# Allegro board MB1167.brd (continued)
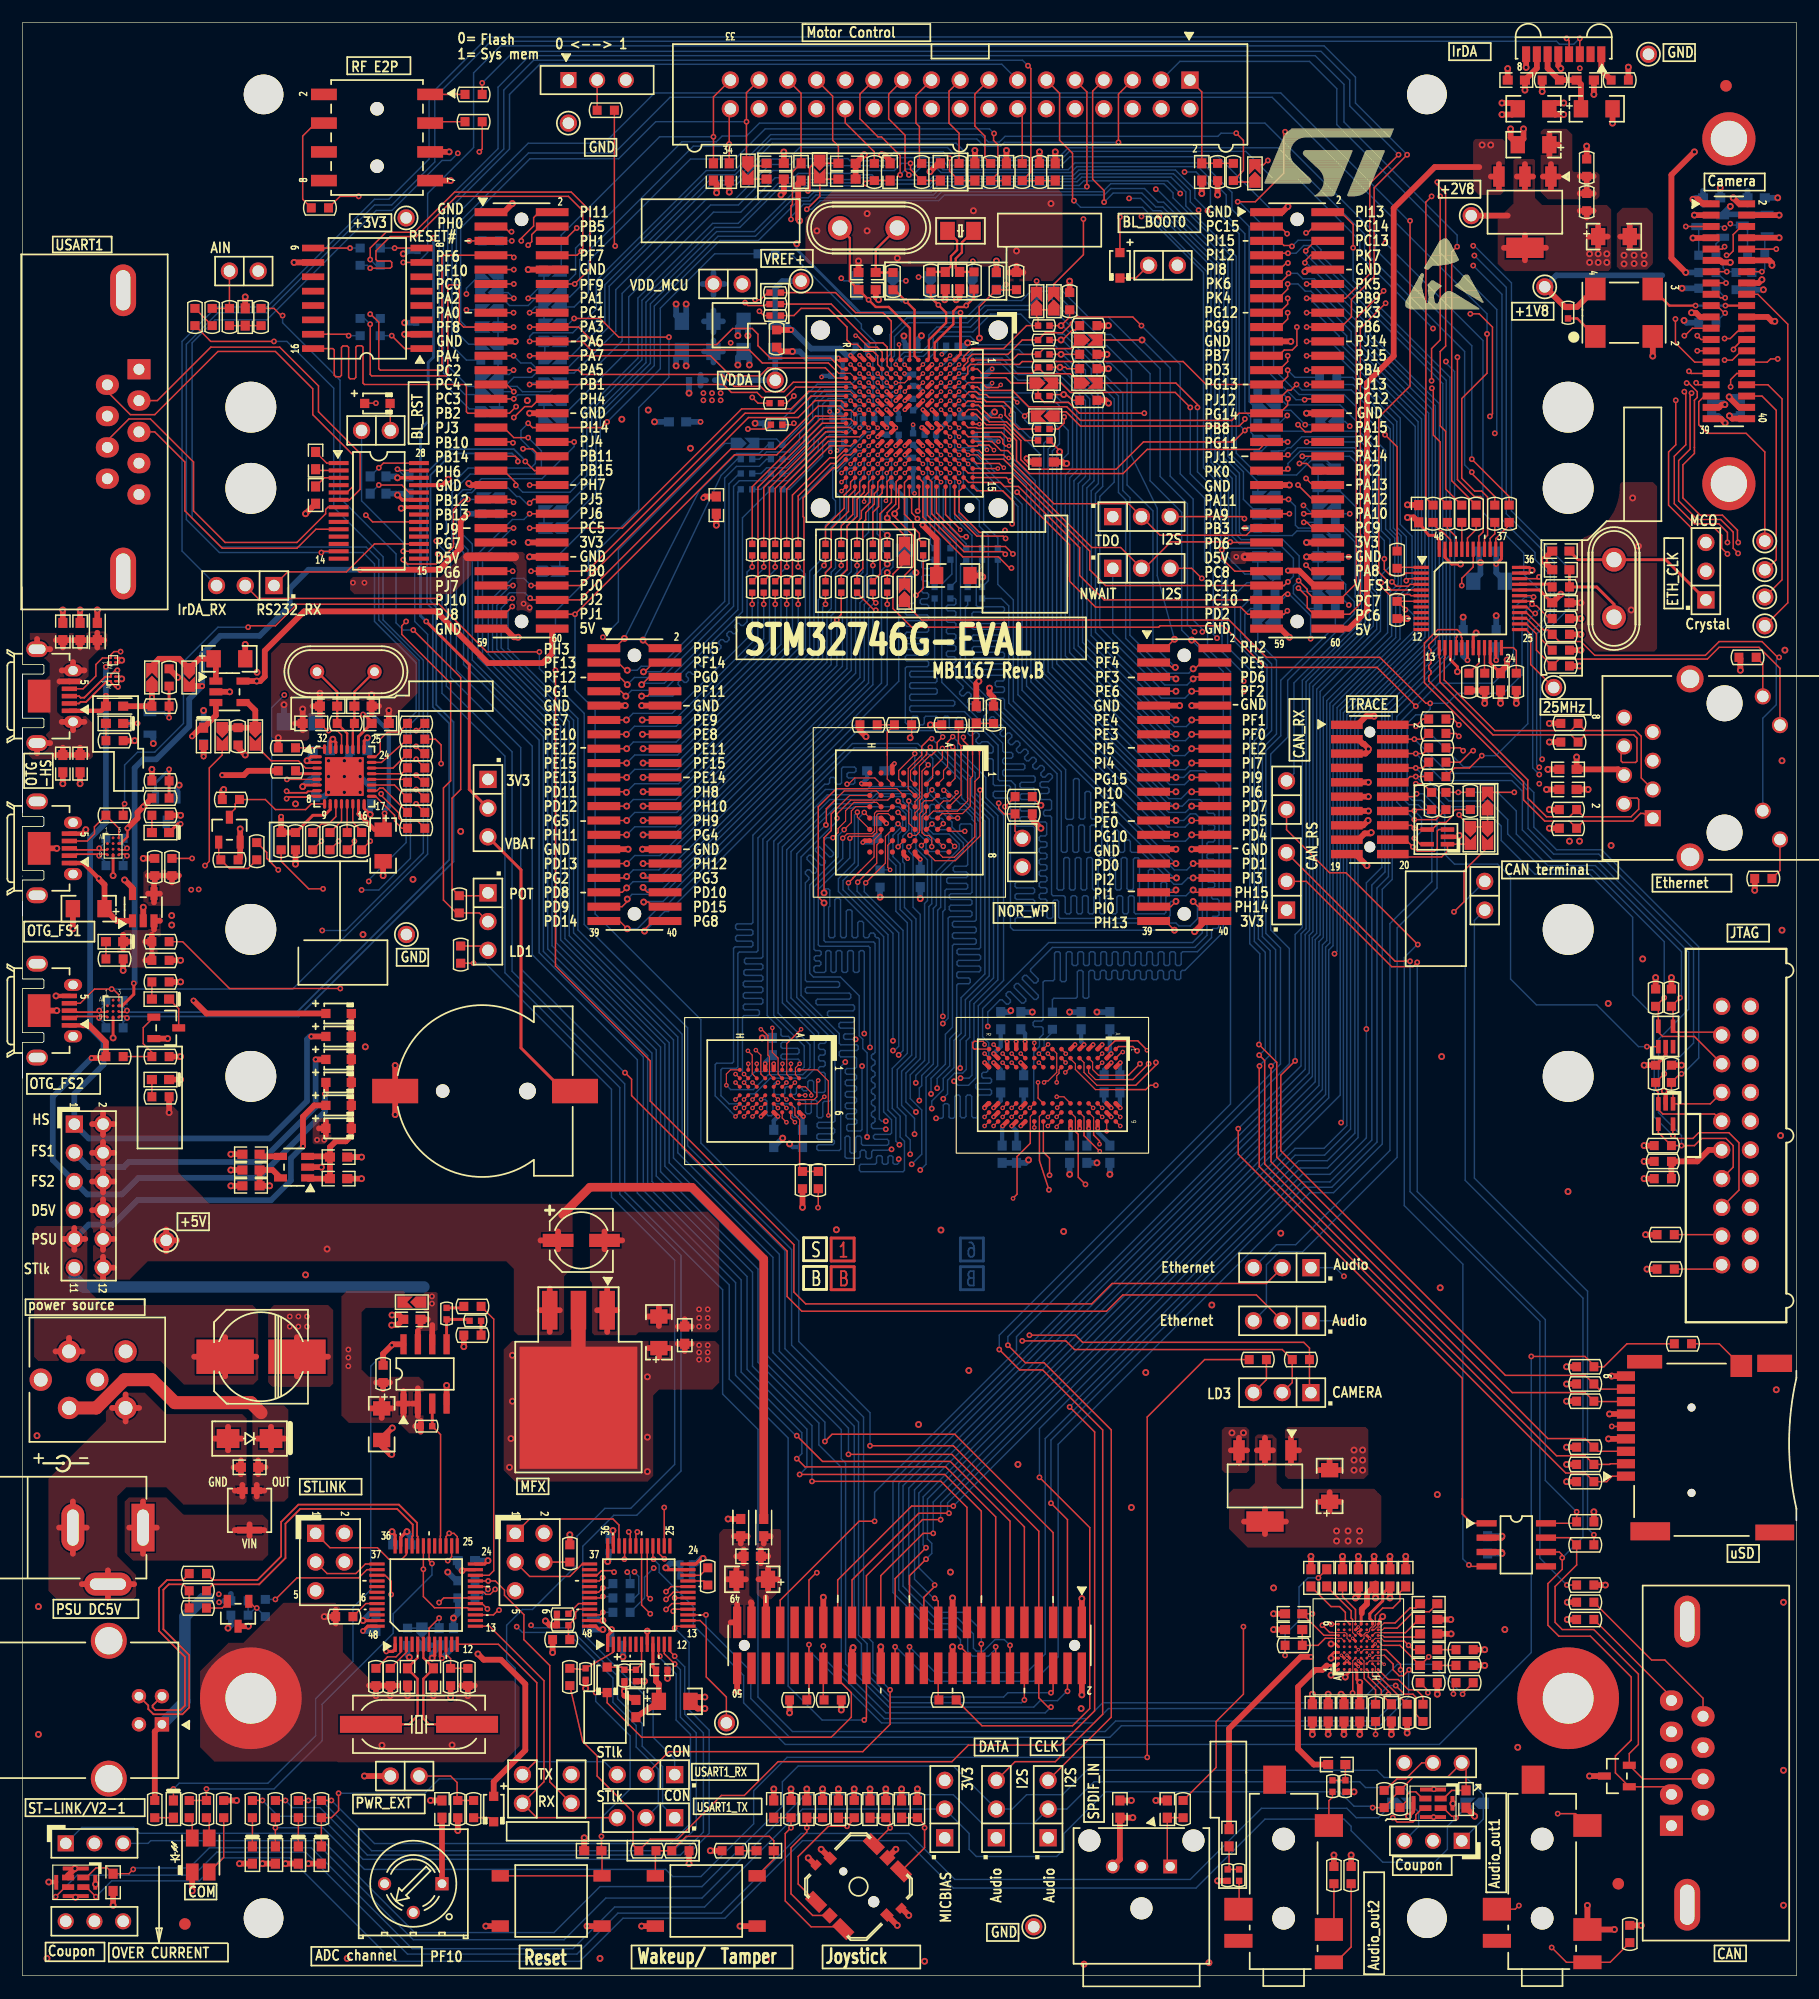
[diagram p0: board, top side]
## Footprints (pads in the part's own frame, mm; a bottom-side part is the same pattern mirrored in y, then rotated) (continued)
CLM-120-02-L-D
  rect 0.61x1.499 smd: 1(-9.5,-1.57) 2(-9.5,1.57) 3(-8.5,-1.57) 4(-8.5,1.57) 5(-7.5,-1.57) 6(-7.5,1.57) 7(-6.5,-1.57) 8(-6.5,1.57) 9(-5.5,-1.57) 10(-5.5,1.57) 11(-4.5,-1.57) 12(-4.5,1.57) 13(-3.5,-1.57) 14(-3.5,1.57) 15(-2.5,-1.57) 16(-2.5,1.57) 17(-1.5,-1.57) 18(-1.5,1.57) 19(-0.5,-1.57) 20(-0.5,1.57) 21(0.5,-1.57) 22(0.5,1.57) 23(1.5,-1.57) 24(1.5,1.57) 25(2.5,-1.57) 26(2.5,1.57) 27(3.5,-1.57) 28(3.5,1.57) 29(4.5,-1.57) 30(4.5,1.57) 31(5.5,-1.57) 32(5.5,1.57) 33(6.5,-1.57) 34(6.5,1.57) 35(7.5,-1.57) 36(7.5,1.57) 37(8.5,-1.57) 38(8.5,1.57) 39(9.5,-1.57) 40(9.5,1.57)
  round 4.699 hole 3.2: 41(-15.249,0) 42(15.25,0)
CONN_DLR11H0
  round 1.956 hole 1.956 unplated: (-7.14,2.3) (-2.54,-3.7) (2.06,2.3)
  rect 1.219x1.219 hole 0.813: 1(0,0)
  round 1.219 hole 0.813: 2(-2.54,0) 3(-5.08,0)
COUPON
  rect 1.422x1.422 hole 1.016: 1(-3.444,-2.54)
  round 1.422 hole 1.016: 2(-3.444,0) 3(-3.444,2.54) 4(3.447,-2.54) 5(3.447,0) 6(3.447,2.54)
DB9_M
  rect 1.778x2.032 hole 0.965: 1(5.537,0)
  oval 1.778x2.032 hole 0.965: 2(2.769,0) 3(0,0) 4(-2.769,0) 5(-5.537,0) 6(4.166,2.794) 7(1.397,2.794) 8(-1.372,2.794) 9(-4.14,2.794)
  oval 4.572x2.286 hole 3.556x1.27: 10(-12.522,1.397) 11(12.522,1.397)
FBGA64_1_11X13
  round 0.457 smd: A1(-3.5,3.5) A2(-2.5,3.5) A3(-1.5,3.5) A4(-0.5,3.5) A5(0.5,3.5) A6(1.5,3.5) A7(2.5,3.5) A8(3.5,3.5) B1(-3.5,2.5) B2(-2.5,2.5) B3(-1.5,2.5) B4(-0.5,2.5) B5(0.5,2.5) B6(1.5,2.5) B7(2.5,2.5) B8(3.5,2.5) C1(-3.5,1.5) C2(-2.5,1.5) C3(-1.5,1.5) C4(-0.5,1.5) C5(0.5,1.5) C6(1.5,1.5) C7(2.5,1.5) C8(3.5,1.5) D1(-3.5,0.5) D2(-2.5,0.5) D3(-1.5,0.5) D4(-0.5,0.5) D5(0.5,0.5) D6(1.5,0.5) D7(2.5,0.5) D8(3.5,0.5) E1(-3.5,-0.5) E2(-2.5,-0.5) E3(-1.5,-0.5) E4(-0.5,-0.5) E5(0.5,-0.5) E6(1.5,-0.5) E7(2.5,-0.5) E8(3.5,-0.5) F1(-3.5,-1.5) F2(-2.5,-1.5) F3(-1.5,-1.5) F4(-0.5,-1.5) F5(0.5,-1.5) F6(1.5,-1.5) F7(2.5,-1.5) F8(3.5,-1.5) G1(-3.5,-2.5) G2(-2.5,-2.5) G3(-1.5,-2.5) G4(-0.5,-2.5) G5(0.5,-2.5) G6(1.5,-2.5) G7(2.5,-2.5) G8(3.5,-2.5) H1(-3.5,-3.5) H2(-2.5,-3.5) H3(-1.5,-3.5) H4(-0.5,-3.5) H5(0.5,-3.5) H6(1.5,-3.5) H7(2.5,-3.5) H8(3.5,-3.5)
FBGA90_0R8_8X13
  round 0.406 smd: A1(-3.2,5.6) A2(-2.4,5.6) A3(-1.6,5.6) A7(1.6,5.6) A8(2.4,5.6) A9(3.2,5.6) B1(-3.2,4.8) B2(-2.4,4.8) B3(-1.6,4.8) B7(1.6,4.8) B8(2.4,4.8) B9(3.2,4.8) C1(-3.2,4) C2(-2.4,4) C3(-1.6,4) C7(1.6,4) C8(2.4,4) C9(3.2,4) D1(-3.2,3.2) D2(-2.4,3.2) D3(-1.6,3.2) D7(1.6,3.2) D8(2.4,3.2) D9(3.2,3.2) E1(-3.2,2.4) E2(-2.4,2.4) E3(-1.6,2.4) E7(1.6,2.4) E8(2.4,2.4) E9(3.2,2.4) F1(-3.2,1.6) F2(-2.4,1.6) F3(-1.6,1.6) F7(1.6,1.6) F8(2.4,1.6) F9(3.2,1.6) G1(-3.2,0.8) G2(-2.4,0.8) G3(-1.6,0.8) G7(1.6,0.8) G8(2.4,0.8) G9(3.2,0.8) H1(-3.2,0) H2(-2.4,0) H3(-1.6,0) H7(1.6,0) H8(2.4,0) H9(3.2,0) J1(-3.2,-0.8) J2(-2.4,-0.8) J3(-1.6,-0.8) J7(1.6,-0.8) J8(2.4,-0.8) J9(3.2,-0.8) K1(-3.2,-1.6) K2(-2.4,-1.6) K3(-1.6,-1.6) K7(1.6,-1.6) K8(2.4,-1.6) K9(3.2,-1.6) L1(-3.2,-2.4) L2(-2.4,-2.4) L3(-1.6,-2.4) L7(1.6,-2.4) L8(2.4,-2.4) L9(3.2,-2.4) M1(-3.2,-3.2) M2(-2.4,-3.2) M3(-1.6,-3.2) M7(1.6,-3.2) M8(2.4,-3.2) M9(3.2,-3.2) N1(-3.2,-4) N2(-2.4,-4) N3(-1.6,-4) N7(1.6,-4) N8(2.4,-4) N9(3.2,-4) P1(-3.2,-4.8) P2(-2.4,-4.8) P3(-1.6,-4.8) P7(1.6,-4.8) P8(2.4,-4.8) P9(3.2,-4.8) R1(-3.2,-5.6) R2(-2.4,-5.6) R3(-1.6,-5.6) R7(1.6,-5.6) R8(2.4,-5.6) R9(3.2,-5.6)
FTR-120-53-L-D-LC
  round 1.194 hole 1.194 unplated: (-11.43,0) (11.43,0)
  rect 0.711x2.896 smd: 1(-12.065,-2.705) 2(-12.065,2.705) 3(-10.795,-2.705) 4(-10.795,2.705) 5(-9.525,-2.705) 6(-9.525,2.705) 7(-8.255,-2.705) 8(-8.255,2.705) 9(-6.985,-2.705) 10(-6.985,2.705) 11(-5.715,-2.705) 12(-5.715,2.705) 13(-4.445,-2.705) 14(-4.445,2.705) 15(-3.175,-2.705) 16(-3.175,2.705) 17(-1.905,-2.705) 18(-1.905,2.705) 19(-0.635,-2.705) 20(-0.635,2.705) 21(0.635,-2.705) 22(0.635,2.705) 23(1.905,-2.705) 24(1.905,2.705) 25(3.175,-2.705) 26(3.175,2.705) 27(4.445,-2.705) 28(4.445,2.705) 29(5.715,-2.705) 30(5.715,2.705) 31(6.985,-2.705) 32(6.985,2.705) 33(8.255,-2.705) 34(8.255,2.705) 35(9.525,-2.705) 36(9.525,2.705) 37(10.795,-2.705) 38(10.795,2.705) 39(12.065,-2.705) 40(12.065,2.705)
FTR-130-53-L-D-LC
  round 1.194 hole 1.194 unplated: (-17.78,0) (17.78,0)
  rect 0.711x2.896 smd: 1(-18.415,-2.705) 2(-18.415,2.705) 3(-17.145,-2.705) 4(-17.145,2.705) 5(-15.875,-2.705) 6(-15.875,2.705) 7(-14.605,-2.705) 8(-14.605,2.705) 9(-13.335,-2.705) 10(-13.335,2.705) 11(-12.065,-2.705) 12(-12.065,2.705) 13(-10.795,-2.705) 14(-10.795,2.705) 15(-9.525,-2.705) 16(-9.525,2.705) 17(-8.255,-2.705) 18(-8.255,2.705) 19(-6.985,-2.705) 20(-6.985,2.705) 21(-5.715,-2.705) 22(-5.715,2.705) 23(-4.445,-2.705) 24(-4.445,2.705) 25(-3.175,-2.705) 26(-3.175,2.705) 27(-1.905,-2.705) 28(-1.905,2.705) 29(-0.635,-2.705) 30(-0.635,2.705) 31(0.635,-2.705) 32(0.635,2.705) 33(1.905,-2.705) 34(1.905,2.705) 35(3.175,-2.705) 36(3.175,2.705) 37(4.445,-2.705) 38(4.445,2.705) 39(5.715,-2.705) 40(5.715,2.705) 41(6.985,-2.705) 42(6.985,2.705) 43(8.255,-2.705) 44(8.255,2.705) 45(9.525,-2.705) 46(9.525,2.705) 47(10.795,-2.705) 48(10.795,2.705) 49(12.065,-2.705) 50(12.065,2.705) 51(13.335,-2.705) 52(13.335,2.705) 53(14.605,-2.705) 54(14.605,2.705) 55(15.875,-2.705) 56(15.875,2.705) 57(17.145,-2.705) 58(17.145,2.705) 59(18.415,-2.705) 60(18.415,2.705)
FTSH-110-01-L-DV
  round 0.965 hole 0.965 unplated: (-5.08,0) (5.08,0)
  rect 0.737x2.794 smd: 1(-5.715,-2.03) 2(-5.715,2.03) 3(-4.445,-2.03) 4(-4.445,2.03) 5(-3.175,-2.03) 6(-3.175,2.03) 7(-1.905,-2.03) 8(-1.905,2.03) 9(-0.635,-2.03) 10(-0.635,2.03) 11(0.635,-2.03) 12(0.635,2.03) 13(1.905,-2.03) 14(1.905,2.03) 15(3.175,-2.03) 16(3.175,2.03) 17(4.445,-2.03) 18(4.445,2.03) 19(5.715,-2.03) 20(5.715,2.03)
FTSH-125-01-F-DV
  round 0.965 hole 0.965 unplated: (-14.605,0) (14.605,0)
  rect 0.737x2.794 smd: 1(-15.24,-2.03) 2(-15.24,2.03) 3(-13.97,-2.03) 4(-13.97,2.03) 5(-12.7,-2.03) 6(-12.7,2.03) 7(-11.43,-2.03) 8(-11.43,2.03) 9(-10.16,-2.03) 10(-10.16,2.03) 11(-8.89,-2.03) 12(-8.89,2.03) 13(-7.62,-2.03) 14(-7.62,2.03) 15(-6.35,-2.03) 16(-6.35,2.03) 17(-5.08,-2.03) 18(-5.08,2.03) 19(-3.81,-2.03) 20(-3.81,2.03) 21(-2.54,-2.03) 22(-2.54,2.03) 23(-1.27,-2.03) 24(-1.27,2.03) 25(0,-2.03) 26(0,2.03) 27(1.27,-2.03) 28(1.27,2.03) 29(2.54,-2.03) 30(2.54,2.03) 31(3.81,-2.03) 32(3.81,2.03) 33(5.08,-2.03) 34(5.08,2.03) 35(6.35,-2.03) 36(6.35,2.03) 37(7.62,-2.03) 38(7.62,2.03) 39(8.89,-2.03) 40(8.89,2.03) 41(10.16,-2.03) 42(10.16,2.03) 43(11.43,-2.03) 44(11.43,2.03) 45(12.7,-2.03) 46(12.7,2.03) 47(13.97,-2.03) 48(13.97,2.03) 49(15.24,-2.03) 50(15.24,2.03)
HDR_2X3-1_2R54-6
  rect 1.524x1.524 hole 1.016: 1(0,0)
  round 1.524 hole 1.016: 2(0,2.54) 3(2.54,0) 4(2.54,2.54) 5(5.08,0)
HDR_2X6_2R54
  rect 1.524x1.524 hole 1.016: 1(0,0)
  round 1.524 hole 1.016: 2(0,2.54) 3(2.54,0) 4(2.54,2.54) 5(5.08,0) 6(5.08,2.54) 7(7.62,0) 8(7.62,2.54) 9(10.16,0) 10(10.16,2.54) 11(12.7,0) 12(12.7,2.54)
HOLE_C9D4R5
  round 8.992 hole 4.496: 1(0,0)
IDC20S
  round 1.524 hole 1.016: 1(0,0) 2(2.54,0) 3(0,-2.54) 4(2.54,-2.54) 5(0,-5.08) 6(2.54,-5.08) 7(0,-7.62) 8(2.54,-7.62) 9(0,-10.16) 10(2.54,-10.16) 11(0,-12.7) 12(2.54,-12.7) 13(0,-15.24) 14(2.54,-15.24) 15(0,-17.78) 16(2.54,-17.78) 17(0,-20.32) 18(2.54,-20.32) 19(0,-22.86) 20(2.54,-22.86)
IDC34S
  rect 1.524x1.524 hole 1.016: 1(0,0)
  round 1.524 hole 1.016: 2(2.54,0) 3(0,-2.54) 4(2.54,-2.54) 5(0,-5.08) 6(2.54,-5.08) 7(0,-7.62) 8(2.54,-7.62) 9(0,-10.16) 10(2.54,-10.16) 11(0,-12.7) 12(2.54,-12.7) 13(0,-15.24) 14(2.54,-15.24) 15(0,-17.78) 16(2.54,-17.78) 17(0,-20.32) 18(2.54,-20.32) 19(0,-22.86) 20(2.54,-22.86) 21(0,-25.4) 22(2.54,-25.4) 23(0,-27.94) 24(2.54,-27.94) 25(0,-30.48) 26(2.54,-30.48) 27(0,-33.02) 28(2.54,-33.02) 29(0,-35.56) 30(2.54,-35.56) 31(0,-38.1) 32(2.54,-38.1) 33(0,-40.64) 34(2.54,-40.64)
IR_VISHAY3
  rect 0.711x1.397 smd: 1(3.325,0) 2(2.375,0) 3(1.425,0) 4(0.475,0) 5(-0.475,0) 6(-1.425,0) 7(-2.375,0) 8(-3.325,0)
LED2_3528
  rect 1.118x1.499 smd: 1(-0.75,-1.5) 2(-0.75,1.5) 3(0.75,1.5) 4(0.75,-1.5)
LQFP48_0R5_9X9
  rect 1.346x0.279 smd: 1(-4.35,2.75) 2(-4.35,2.25) 3(-4.35,1.75) 4(-4.35,1.25) 5(-4.35,0.75) 6(-4.35,0.25) 7(-4.35,-0.25) 8(-4.35,-0.75) 9(-4.35,-1.25) 10(-4.35,-1.75) 11(-4.35,-2.25) 12(-4.35,-2.75) 25(4.35,-2.75) 26(4.35,-2.25) 27(4.35,-1.75) 28(4.35,-1.25) 29(4.35,-0.75) 30(4.35,-0.25) 31(4.35,0.25) 32(4.35,0.75) 33(4.35,1.25) 34(4.35,1.75) 35(4.35,2.25) 36(4.35,2.75)
  rect 0.279x1.346 smd: 13(-2.75,-4.35) 14(-2.25,-4.35) 15(-1.75,-4.35) 16(-1.25,-4.35) 17(-0.75,-4.35) 18(-0.25,-4.35) 19(0.25,-4.35) 20(0.75,-4.35) 21(1.25,-4.35) 22(1.75,-4.35) 23(2.25,-4.35) 24(2.75,-4.35) 37(2.75,4.35) 38(2.25,4.35) 39(1.75,4.35) 40(1.25,4.35) 41(0.75,4.35) 42(0.25,4.35) 43(-0.25,4.35) 44(-0.75,4.35) 45(-1.25,4.35) 46(-1.75,4.35) 47(-2.25,4.35) 48(-2.75,4.35)
MOLEX_47590001
  rect 0.406x1.346 smd: 1(1.3,0) 2(0.65,0) 3(0,0) 4(-0.65,0) 5(-1.3,0)
  oval 1.067x1.6 hole 0.762x0.838: 6(2.275,0.325) 7(-2.275,0.325)
  oval 1.397x1.905 hole 0.838x1.499: 8(-4.15,-2.855) 9(4.15,-2.855)
  rect 2.896x2.007 smd: 10(0,-2.675)
MP34DT01TR
  rect 0.508x1.067 smd: 1(-0.425,0.675) 2(-0.425,-0.675) 3(0.425,-0.675) 4(0.425,0.675)
  round 0.152 smd: 5(-0.025,-1.753)
MSD_PJS008_
  round 0.711 hole 0.711 unplated: (0,0) (7.55,0)
  rect 0.813x1.6 smd: 1(1.475,5.8) 2(2.575,5.8) 3(3.675,5.8) 4(4.775,5.8) 5(5.875,5.8) 6(6.975,5.8) 7(8.075,5.8) 8(9.175,5.8)
  rect 0.838x1.6 smd: 9(10.325,5.8)
  rect 1.956x1.905 smd: 10(11.225,-4.4)
  rect 1.524x3.073 smd: 11(11.45,-7.35)
  rect 1.397x3.429 smd: 12(-3.503,-7.357)
  rect 1.6x3.505 smd: 13(-3.4,3.65)
  rect 1.194x3.099 smd: 14(11.6,4.15)
OSC_4SM_7X5
  rect 1.803x2.007 smd: 1(-2.54,-2.1) 2(2.54,-2.1) 3(2.54,2.1) 4(-2.54,2.1)
PB10
  rect 1.524x1.016 smd: 1(-4.5,-2.223) 2(-4.5,2.223) 3(4.5,2.223) 4(4.5,-2.223)
PJ3028B
  round 2.007 hole 2.007 unplated: (0,0) (7,0)
  rect 1.219x2.489 smd: 2(-3.9,-4) 7(-2,4)
  rect 2.007x2.489 smd: 3(-1,-4) 4(0.8,4) 6(8.2,-4)
  rect 2.489x2.007 smd: 5(12.25,0.8)
PWR_JACK_DC10
  rect 2.032x4.216 hole 1.016x3.2: 1(0,0)
  oval 4.216x2.032 hole 3.2x1.016: 2(-3.1,-5)
  oval 2.032x4.216 hole 1.016x3.2: 3(-6.2,0)
QFN32_0R5_5X5
  oval 0.864x0.279 smd: 1(-2.42,1.75) 2(-2.42,1.25) 3(-2.42,0.75) 4(-2.42,0.25) 5(-2.42,-0.25) 6(-2.42,-0.75) 7(-2.42,-1.25) 8(-2.42,-1.75) 17(2.42,-1.75) 18(2.42,-1.25) 19(2.42,-0.75) 20(2.42,-0.25) 21(2.42,0.25) 22(2.42,0.75) 23(2.42,1.25) 24(2.42,1.75)
  oval 0.279x0.864 smd: 9(-1.75,-2.42) 10(-1.25,-2.42) 11(-0.75,-2.42) 12(-0.25,-2.42) 13(0.25,-2.42) 14(0.75,-2.42) 15(1.25,-2.42) 16(1.75,-2.42) 25(1.75,2.42) 26(1.25,2.42) 27(0.75,2.42) 28(0.25,2.42) 29(-0.25,2.42) 30(-0.75,2.42) 31(-1.25,2.42) 32(-1.75,2.42)
  rect 3.429x3.429 smd: 33(0,0)
RJ45_J0011D01BNL
  round 3.175 hole 3.175 unplated: (-10.16,6.35) (1.27,6.35)
  rect 1.422x1.422 hole 1.016: 1(0,0)
  round 1.422 hole 1.016: 2(-1.27,-2.54) 3(-2.54,0) 4(-3.81,-2.54) 5(-5.08,0) 6(-6.35,-2.54) 7(-7.62,0) 8(-8.89,-2.54) 9(1.88,11.25) 10(-0.66,9.73) 11(-8.23,11.25) 12(-10.77,9.73)
  round 2.388 hole 1.626: 13(-12.32,3.3) 14(3.43,3.3)
SB_0603
  round 0.152 smd: 1(-0.762,0) 2(0.762,0)
SIP2
  round 1.524 hole 1.016: 1(0,0) 2(2.54,0)
SIP3
  rect 1.524x1.524 hole 1.016: 1(0,0)
  round 1.524 hole 1.016: 2(2.54,0) 3(5.08,0)
SMA
  rect 2.007x1.676 smd: 1(-1.9,0) 2(1.9,0)
SOD-323
  rect 0.813x0.813 smd: 1(-1.125,0) 2(1.125,0)
SOIC8_1R27_4R9X6
  rect 0.559x1.778 smd: 1(-1.905,-2.624) 2(-0.635,-2.624) 3(0.635,-2.624) 4(1.905,-2.624) 5(1.905,2.624) 6(0.635,2.624) 7(-0.635,2.624) 8(-1.905,2.624)
SOIC16W_1R27_10R3X10R33
  rect 0.584x1.956 smd: 1(-4.445,-4.795) 2(-3.175,-4.795) 3(-1.905,-4.795) 4(-0.635,-4.795) 5(0.635,-4.795) 6(1.905,-4.795) 7(3.175,-4.795) 8(4.445,-4.795) 9(4.445,4.795) 10(3.175,4.795) 11(1.905,4.795) 12(0.635,4.795) 13(-0.635,4.795) 14(-1.905,4.795) 15(-3.175,4.795) 16(-4.445,4.795)
SOT23-5
  rect 0.635x1.143 smd: 1(-0.95,-1.2) 2(0,-1.2) 3(0.95,-1.2) 4(0.95,1.2) 5(-0.95,1.2)
SOT-23
  rect 0.635x1.143 smd: 1(-0.95,-1.1) 2(0.95,-1.1) 3(0,1.1)
SOT-223
  rect 1.016x1.803 smd: 1(-2.3,-3.15) 2(0,-3.15) 3(2.3,-3.15)
  rect 3.302x1.803 smd: 4(0,3.15)
SOT-353
  rect 0.406x1.194 smd: 1(-0.65,-0.9) 2(0,-0.9) 3(0.65,-0.9) 4(0.65,0.9) 5(-0.65,0.9)
SSM-104-L-DH
  round 1.194 hole 1.194 unplated: (-2.54,0) (2.54,0)
  rect 1.016x2.286 smd: 1(3.81,-4.698) 2(3.81,4.698) 3(1.27,-4.698) 4(1.27,4.698) 5(-1.27,-4.698) 6(-1.27,4.698) 7(-3.81,-4.698) 8(-3.81,4.698)
SSOP28_0R65_10R2X7R8
  rect 0.356x1.753 smd: 1(-4.225,-3.55) 2(-3.575,-3.55) 3(-2.925,-3.55) 4(-2.275,-3.55) 5(-1.625,-3.55) 6(-0.975,-3.55) 7(-0.325,-3.55) 8(0.325,-3.55) 9(0.975,-3.55) 10(1.625,-3.55) 11(2.275,-3.55) 12(2.925,-3.55) 13(3.575,-3.55) 14(4.225,-3.55) 15(4.225,3.55) 16(3.575,3.55) 17(2.925,3.55) 18(2.275,3.55) 19(1.625,3.55) 20(0.975,3.55) 21(0.325,3.55) 22(-0.325,3.55) 23(-0.975,3.55) 24(-1.625,3.55) 25(-2.275,3.55) 26(-2.925,3.55) 27(-3.575,3.55) 28(-4.225,3.55)
SW1_3TH_2R54_10X2R5
  rect 1.422x1.422 hole 1.016: 1(0,0)
  round 1.422 hole 1.016: 2(2.54,0) 3(5.08,0)
SW-JOY
  round 0.711 hole 0.711 unplated: (0,1.9)
  round 0.991 hole 0.991 unplated: (0,-1.9)
  rect 1.016x1.778 smd: 1(-3.608,1.7) 3(-3.608,-1.7) 4(3.608,-1.7) 6(3.608,1.7)
  rect 1.016x1.016 smd: 2(-3.608,0) 5(3.608,0)
  rect 0.813x0.914 smd: 7(0,3.55) 8(0,-3.55)
  rect 0.813x0.61 smd: 9(-1.3,4) 10(1.3,-4)
TAN-A
  rect 1.27x1.524 smd: 1(1.397,0) 2(-1.397,0)
TO263-3
  rect 1.372x3.429 smd: 1(-2.54,-5) 2(0,-5) 3(2.54,-5)
  rect 10.414x10.795 smd: 4(0,3.625)
TP
  round 1.524 hole 1.016: 1(0,0)
TYCO_ZEN056V130A24LS
  rect 0.61x2.21 smd: 1(-1.745,0)
  rect 0.61x0.94 smd: 2(1.745,0.635) 3(1.745,-0.635)
unnamed
  round 3.505 hole 3.505 unplated: (0,0)
USB-B
  rect 1.27x1.27 hole 0.762: 1(0,0)
  round 1.27 hole 0.762: 2(-2.489,0) 3(-2.489,-2.032) 4(0,-2.032)
  round 3.175 hole 2.413: 5(-7.391,-4.699) 6(4.801,-4.699)
XTAL1
  round 1.27 hole 0.762: 1(0,0) 2(-5.08,0)
XTAL_2SM_3R2X1R5
  rect 1.295x1.6 smd: 1(-1.15,0) 2(1.15,0)
XTAL_2SM_12R7X4R7
  rect 5.486x1.499 smd: 1(-4.25,0) 2(4.25,0)
XTAL_SOCKET
  round 2.108 hole 1.346: 1(0,0) 2(-5.08,0)

## Nets
+1V8: C61.1 C66.1 C68.1 C86.1 C102.1 C103.2 CN4.1 CN4.2 R25.2 R231.2 R235.2 TP1.1 U19.2 U19.4 U23.D1 U23.D8 U23.G9 X3.4
+2V8: C19.1 C119.1 C120.1 CN4.39 CN4.40 R15.1 R230.2 R234.2 T4.1 T5.1 TP5.1 U2.2 U2.4
+3V3: B2.1 B2.4 C1.1 C3.1 C26.1 C28.1 C29.1 C33.2 C37.2 C45.2 C46.2 C56.1 C57.1 C67.1 C83.1 C84.1 C85.1 C90.1 C96.2 C104.1 C107.1 C127.1 C135.1 C143.1 C144.1 C145.1 C146.1 C147.1 C148.1 C149.1 C150.1 C151.1 C152.1 C153.1 C154.1 C155.1 C156.1 C157.1 C158.1 C159.1 C160.1 C161.1 C162.1 C163.1 C164.1 C165.1 C166.1 C168.2 C170.1 C171.2 C173.2 C176.2 CN1.28 CN2.5 CN5.48 CN6.48 CN9.4 CN9.5 CN11.40 CN12.1 CN15.1 CN15.2 CN16.4 CN20.50 CN28.3 JP2.1 JP9.1 JP17.3 L6.1 LD1.1 LD2.1 LD3.1 LD4.1 R1.1 R2.1 R13.2 R20.2 R74.1 R75.2 R76.2 R77.2 R78.2 R79.2 R81.2 R82.2 R85.1 R89.1 R90.2 R92.2 R96.2 R97.1 R114.1 R116.2 R118.2 R120.1 R122.1 R128.1 R131.2 R133.2 R134.1 R135.2 R136.2 R137.2 R141.2 R143.2 R144.2 R146.2 R155.2 R157.1 R158.1 R160.1 R161.1 R162.1 R165.1 R168.2 R170.1 R176.2 R182.2 R186.1 R188.2 R190.1 R191.1 R194.1 R210.1 R211.1 R212.1 R213.1 R214.1 R218.1 R226.1 R229.1 R282.2 R285.2 RV1.1 SW1.1 T1.2 TP4.1 U1.7 U3.2 U5.22 U5.26 U6.22 U6.32 U6.48 U8.6 U8.16 U8.25 U8.30 U8.31 U9.D8 U9.F1 U9.G5 U13.A7 U13.B2 U13.B7 U13.C9 U13.D9 U13.E1 U13.F9 U13.L1 U13.L7 U13.M9 U13.N9 U13.P2 U13.P7 U13.R7 U14.A6 U14.D6 U14.E1 U18.2 U18.4 U19.3 U20.3 U22.1 U22.24 U22.36 U22.48 U23.B2 U23.C2 U23.D2 U23.E9
+3V3_ST_LINK: C51.2 C53.1 C167.2 C169.2 C172.2 C174.2 CN18.4 JP15.1 R203.2 R289.1 R297.2 T3.3 U16.5 U21.1 U21.9 U21.24 U21.36 U21.48
+5V: C54.1 CN1.25 CN5.60 CN6.60 D15.1 JP13.2 JP13.4 JP13.6 JP13.8 JP13.10 JP13.12 L5.1 R142.2 TP14.1 U2.3 U7.5 U11.5 U18.3
D5V: CN5.49 CN6.49 D7.1 JP13.7
GND: B1.1 B1.4 B3.5 B3.7 B3.8 B3.9 B3.10 BT1.2 C1.2 C2.2 C3.2 C4.2 C5.2 C6.1 C7.1 C8.1 C9.1 C10.1 C11.2 C12.1 C13.1 C14.1 C15.2 C16.1 C17.2 C18.1 C19.2 C20.2 C21.2 C22.2 C23.2 C24.1 C27.1 C29.2 C30.2 C31.1 C32.2 C33.1 C34.2 C35.2 C36.2 C37.1 C38.2 C39.2 C40.2 C41.2 C42.2 C43.2 C44.2 C45.1 C46.1 C47.2 C48.2 C49.1 C50.1 C51.1 C52.1 C53.2 C54.2 C55.1 C56.2 C57.2 C58.2 C59.2 C61.2 C63.1 C65.2 C66.2 C67.2 C68.2 C69.2 C72.1 C73.2 C74.1 C75.2 C78.1 C79.1 C80.2 C81.2 C82.2 C83.2 C84.2 C85.2 C86.2 C87.2 C89.2 C90.2 C91.1 C92.1 C93.1 C94.1 C95.1 C96.1 C97.2 C99.1 C101.2 C102.2 C103.1 C105.2 C106.2 C107.2 C108.2 C109.2 C110.1 C111.2 C112.2 C113.1 C114.2 C115.2 C116.2 C117.2 C118.2 C119.2 C120.2 C121.2 C122.2 C123.2 C124.2 C125.2 C126.2 C128.2 C129.2 C130.2 C131.2 C132.2 C133.2 C134.1 C135.2 C137.1 C138.2 C139.2 C140.2 C141.1 C142.2 C143.2 C144.2 C145.2 C146.2 C147.2 C148.2 C149.2 C150.2 C151.2 C152.2 C153.2 C154.2 C155.2 C156.2 C157.2 C158.2 C159.2 C160.2 C161.2 C162.2 C163.2 C164.2 C165.2 C166.2 C167.1 C168.1 C169.1 C170.2 C171.1 C172.1 C173.1 C174.1 C175.1 C176.1 CN1.2 CN1.4 CN1.6 CN1.8 CN1.10 CN1.12 CN1.16 CN1.18 CN1.20 CN1.22 CN1.24 CN1.30 CN1.32 CN2.7 CN3.2 CN4.3 CN4.4 CN4.7 CN4.8 CN4.11 CN4.12 CN4.16 CN4.21 CN4.22 CN4.37 CN4.38 CN4.41 CN4.42 CN5.1 CN5.10 CN5.19 CN5.30 CN5.39 CN5.50 CN5.59 CN6.1 CN6.10 CN6.19 CN6.30 CN6.39 CN6.50 CN6.59 CN7.5 CN7.10 CN7.11 CN9.8 CN9.13 CN9.14 CN10.9 CN10.10 CN10.29 CN10.30 CN11.9 CN11.10 CN11.29 CN11.30 CN12.3 CN12.5 CN12.9 CN12.11 CN12.13 CN12.15 CN12.17 CN12.19 CN13.5 CN13.6 CN13.7 CN13.8 CN13.9 CN13.10 CN14.5 CN14.6 CN14.7 CN14.8 CN14.9 CN14.10 CN15.4 CN15.6 CN15.8 CN15.10 CN15.12 CN15.14 CN15.16 CN15.18 CN15.20 CN16.6 CN16.9 CN18.2 CN19.2 CN20.1 CN20.2 CN20.19 CN20.20 CN20.30 CN20.34 CN20.37 CN21.4 CN21.5 CN21.6 CN22.3 CN22.6 CN22.10 CN22.11 CN24.2 CN26.3 CN27.2 CN27.5 CN28.2 D3.B1 D3.B2 D4.B1 D4.B2 D5.D2 D6.D2 D14.3 H1.1 H2.1 JP10.1 JP11.1 JP16.1 L1.1 L3.4 L3.5 L3.6 L4.1 LD10.2 LD12.1 R6.2 R12.2 R21.2 R23.1 R32.1 R36.1 R38.1 R40.1 R80.1 R83.1 R94.1 R98.1 R105.1 R110.1 R129.1 R139.1 R140.1 R145.1 R148.1 R149.1 R153.1 R163.2 R172.2 R173.1 R174.1 R175.2 R178.2 R179.2 R181.1 R184.1 R185.1 R187.1 R197.2 R208.2 R217.2 R219.1 R221.2 R222.2 R223.1 R249.1 R292.1 R296.1 RV1.3 SB64.1 SW1.3 T2.2 T6.2 T7.2 TP2.1 TP3.1 TP13.1 TP16.1 U1.5 U1.8 U3.10 U4.F2 U4.F6 U4.F7 U4.F8 U4.F9 U4.F10 U4.G6 U4.G10 U4.H6 U4.H10 U4.J6 U4.J10 U4.K6 U4.K7 U4.K8 U4.K9 U4.K10 U4.L6 U4.M1 U4.N1 U5.23 U5.25 U6.15 U6.19 U6.35 U6.36 U6.47 U7.2 U8.1 U8.2 U8.33 U9.E8 U9.H2 U9.H7 U10.2 U11.2 U12.2 U13.A3 U13.B3 U13.B8 U13.C1 U13.D1 U13.E9 U13.F1 U13.L3 U13.L9 U13.M1 U13.N1 U13.P3 U13.P8 U13.R3 U14.D1 U14.E6 U15.2 U16.2 U17.4 U18.1 U19.1 U20.2 U21.8 U21.23 U21.35 U21.47 U22.8 U22.23 U22.35 U22.47 U23.A1 U23.A3 U23.A4 U23.A5 U23.C1 U23.D6 U23.E2 U23.E7 U23.E8 U23.F7 U23.G5 U23.H9 U24.5 U25.2 U25.5 X3.2